# Altium PCB TEBF0808ASCII.PcbDoc (part 1 of 10) (continued)
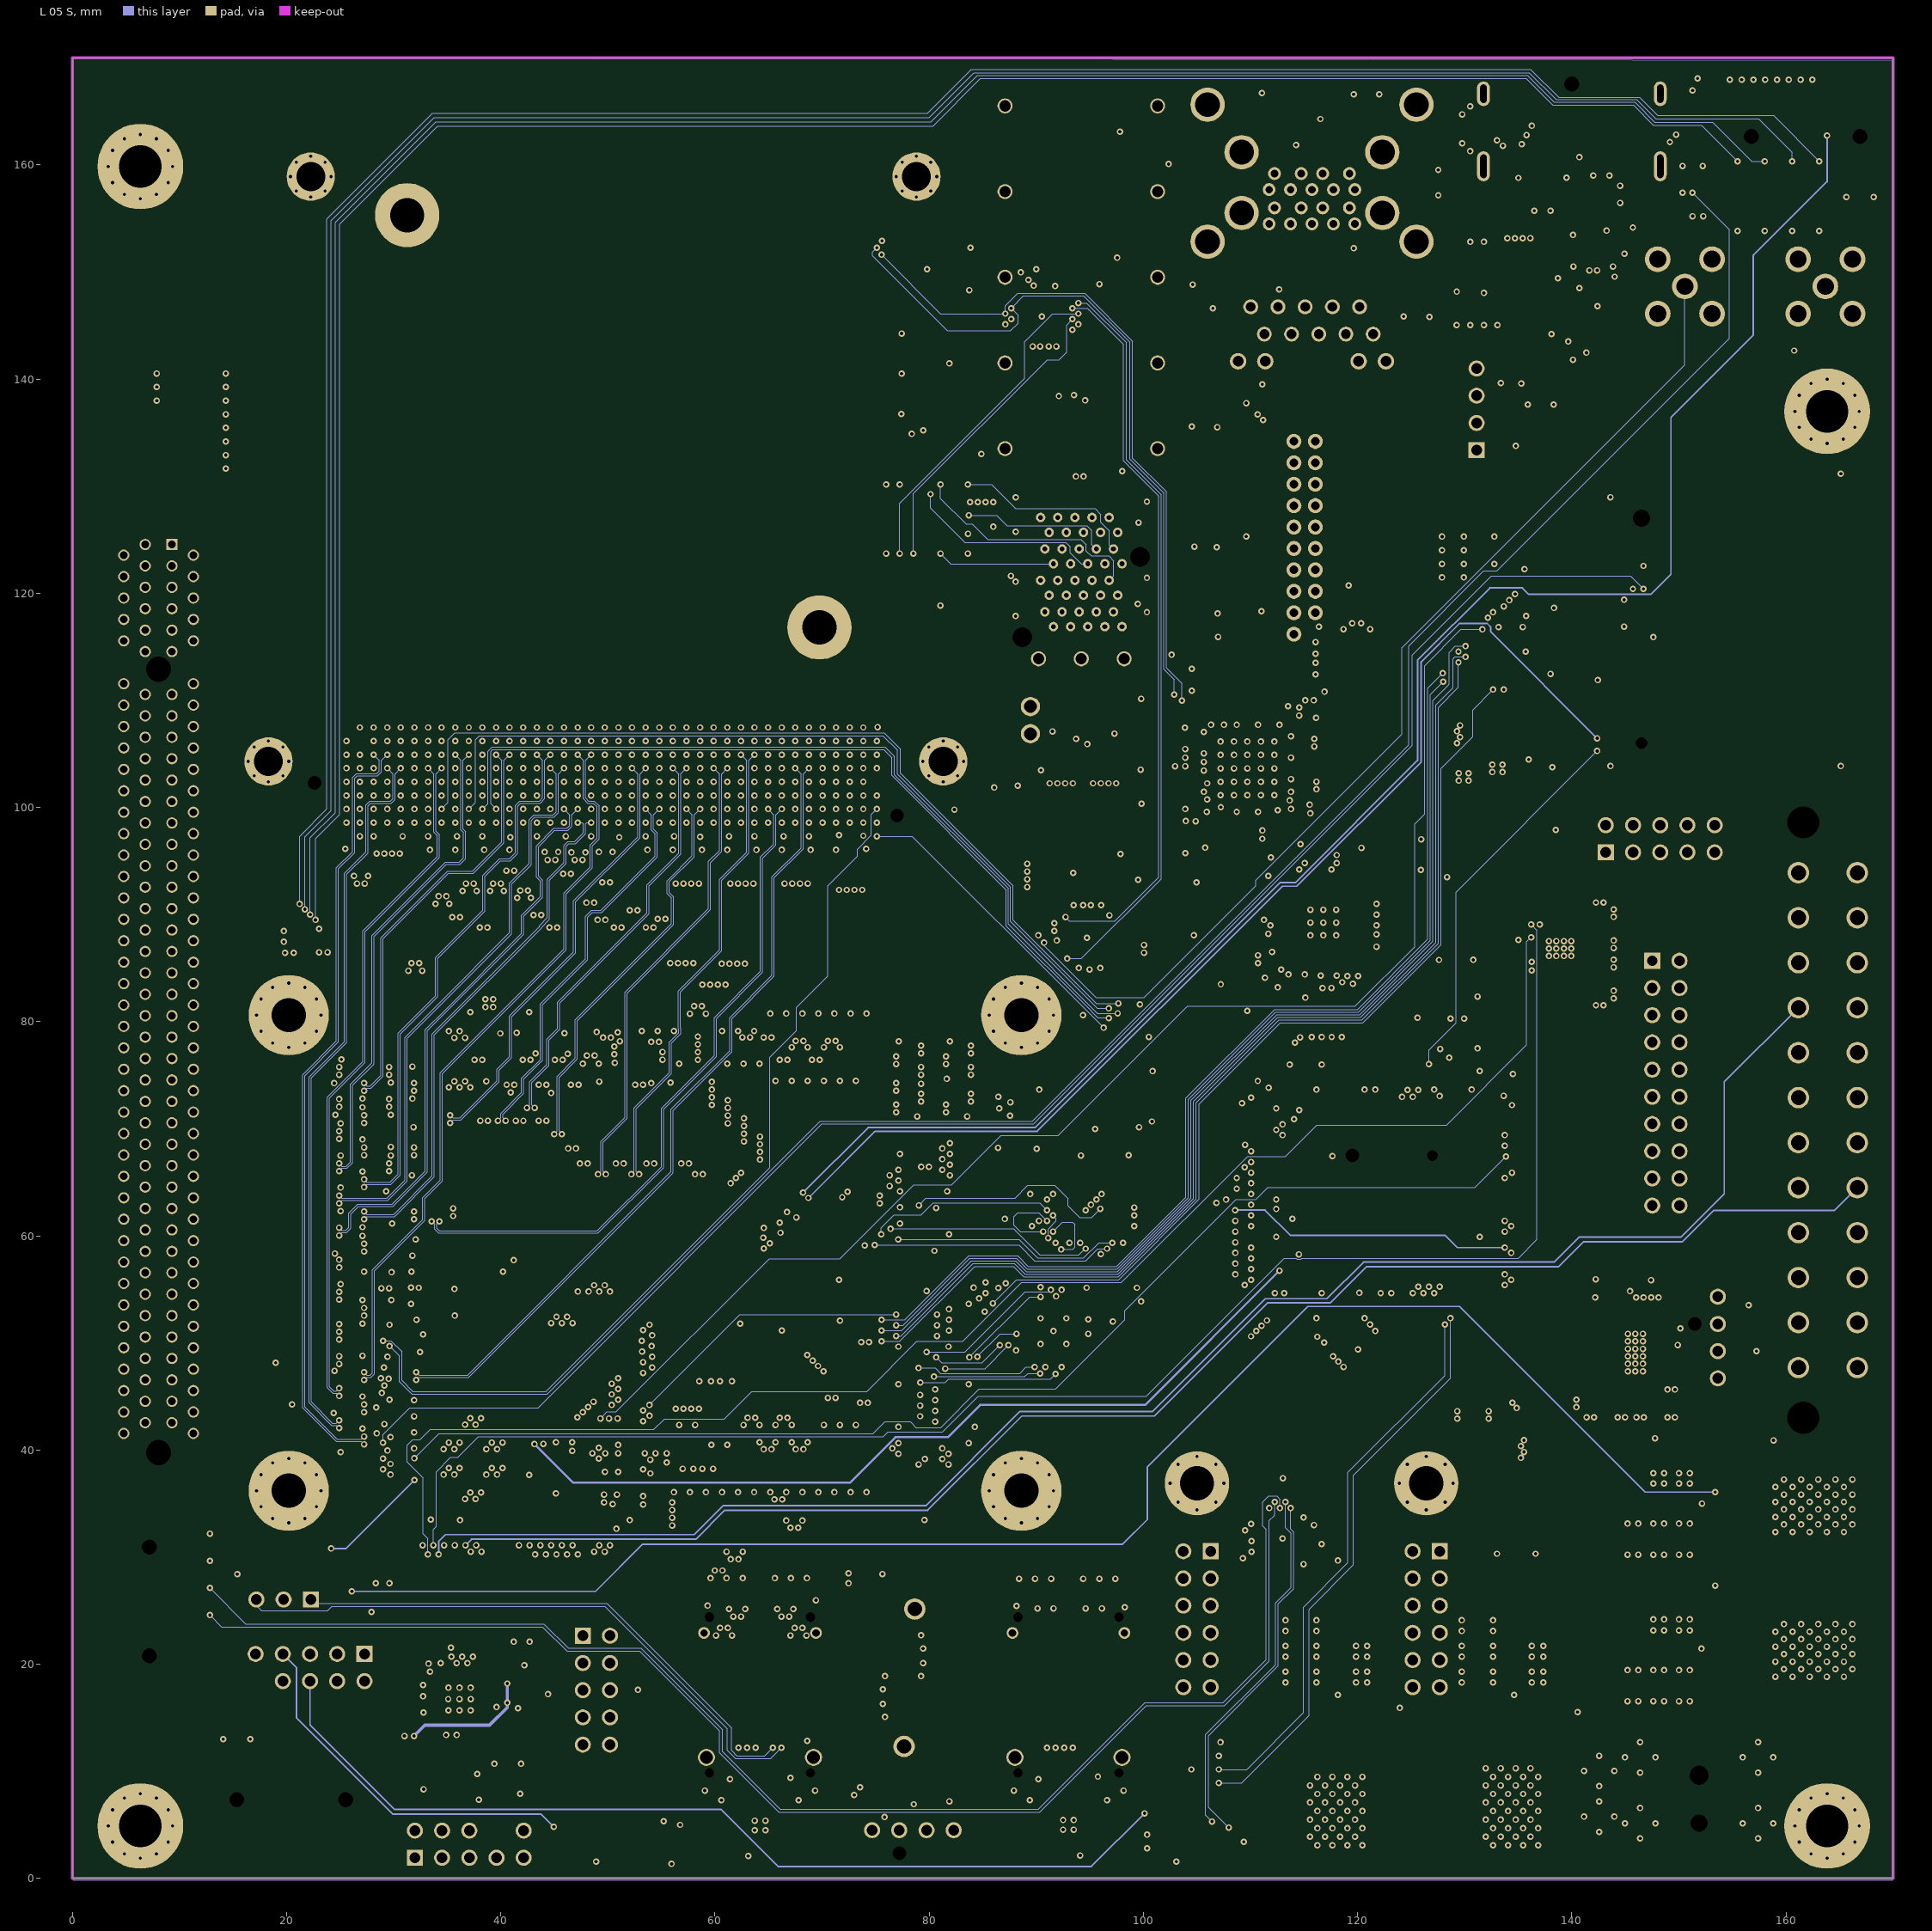
[diagram p4: L 05 S]
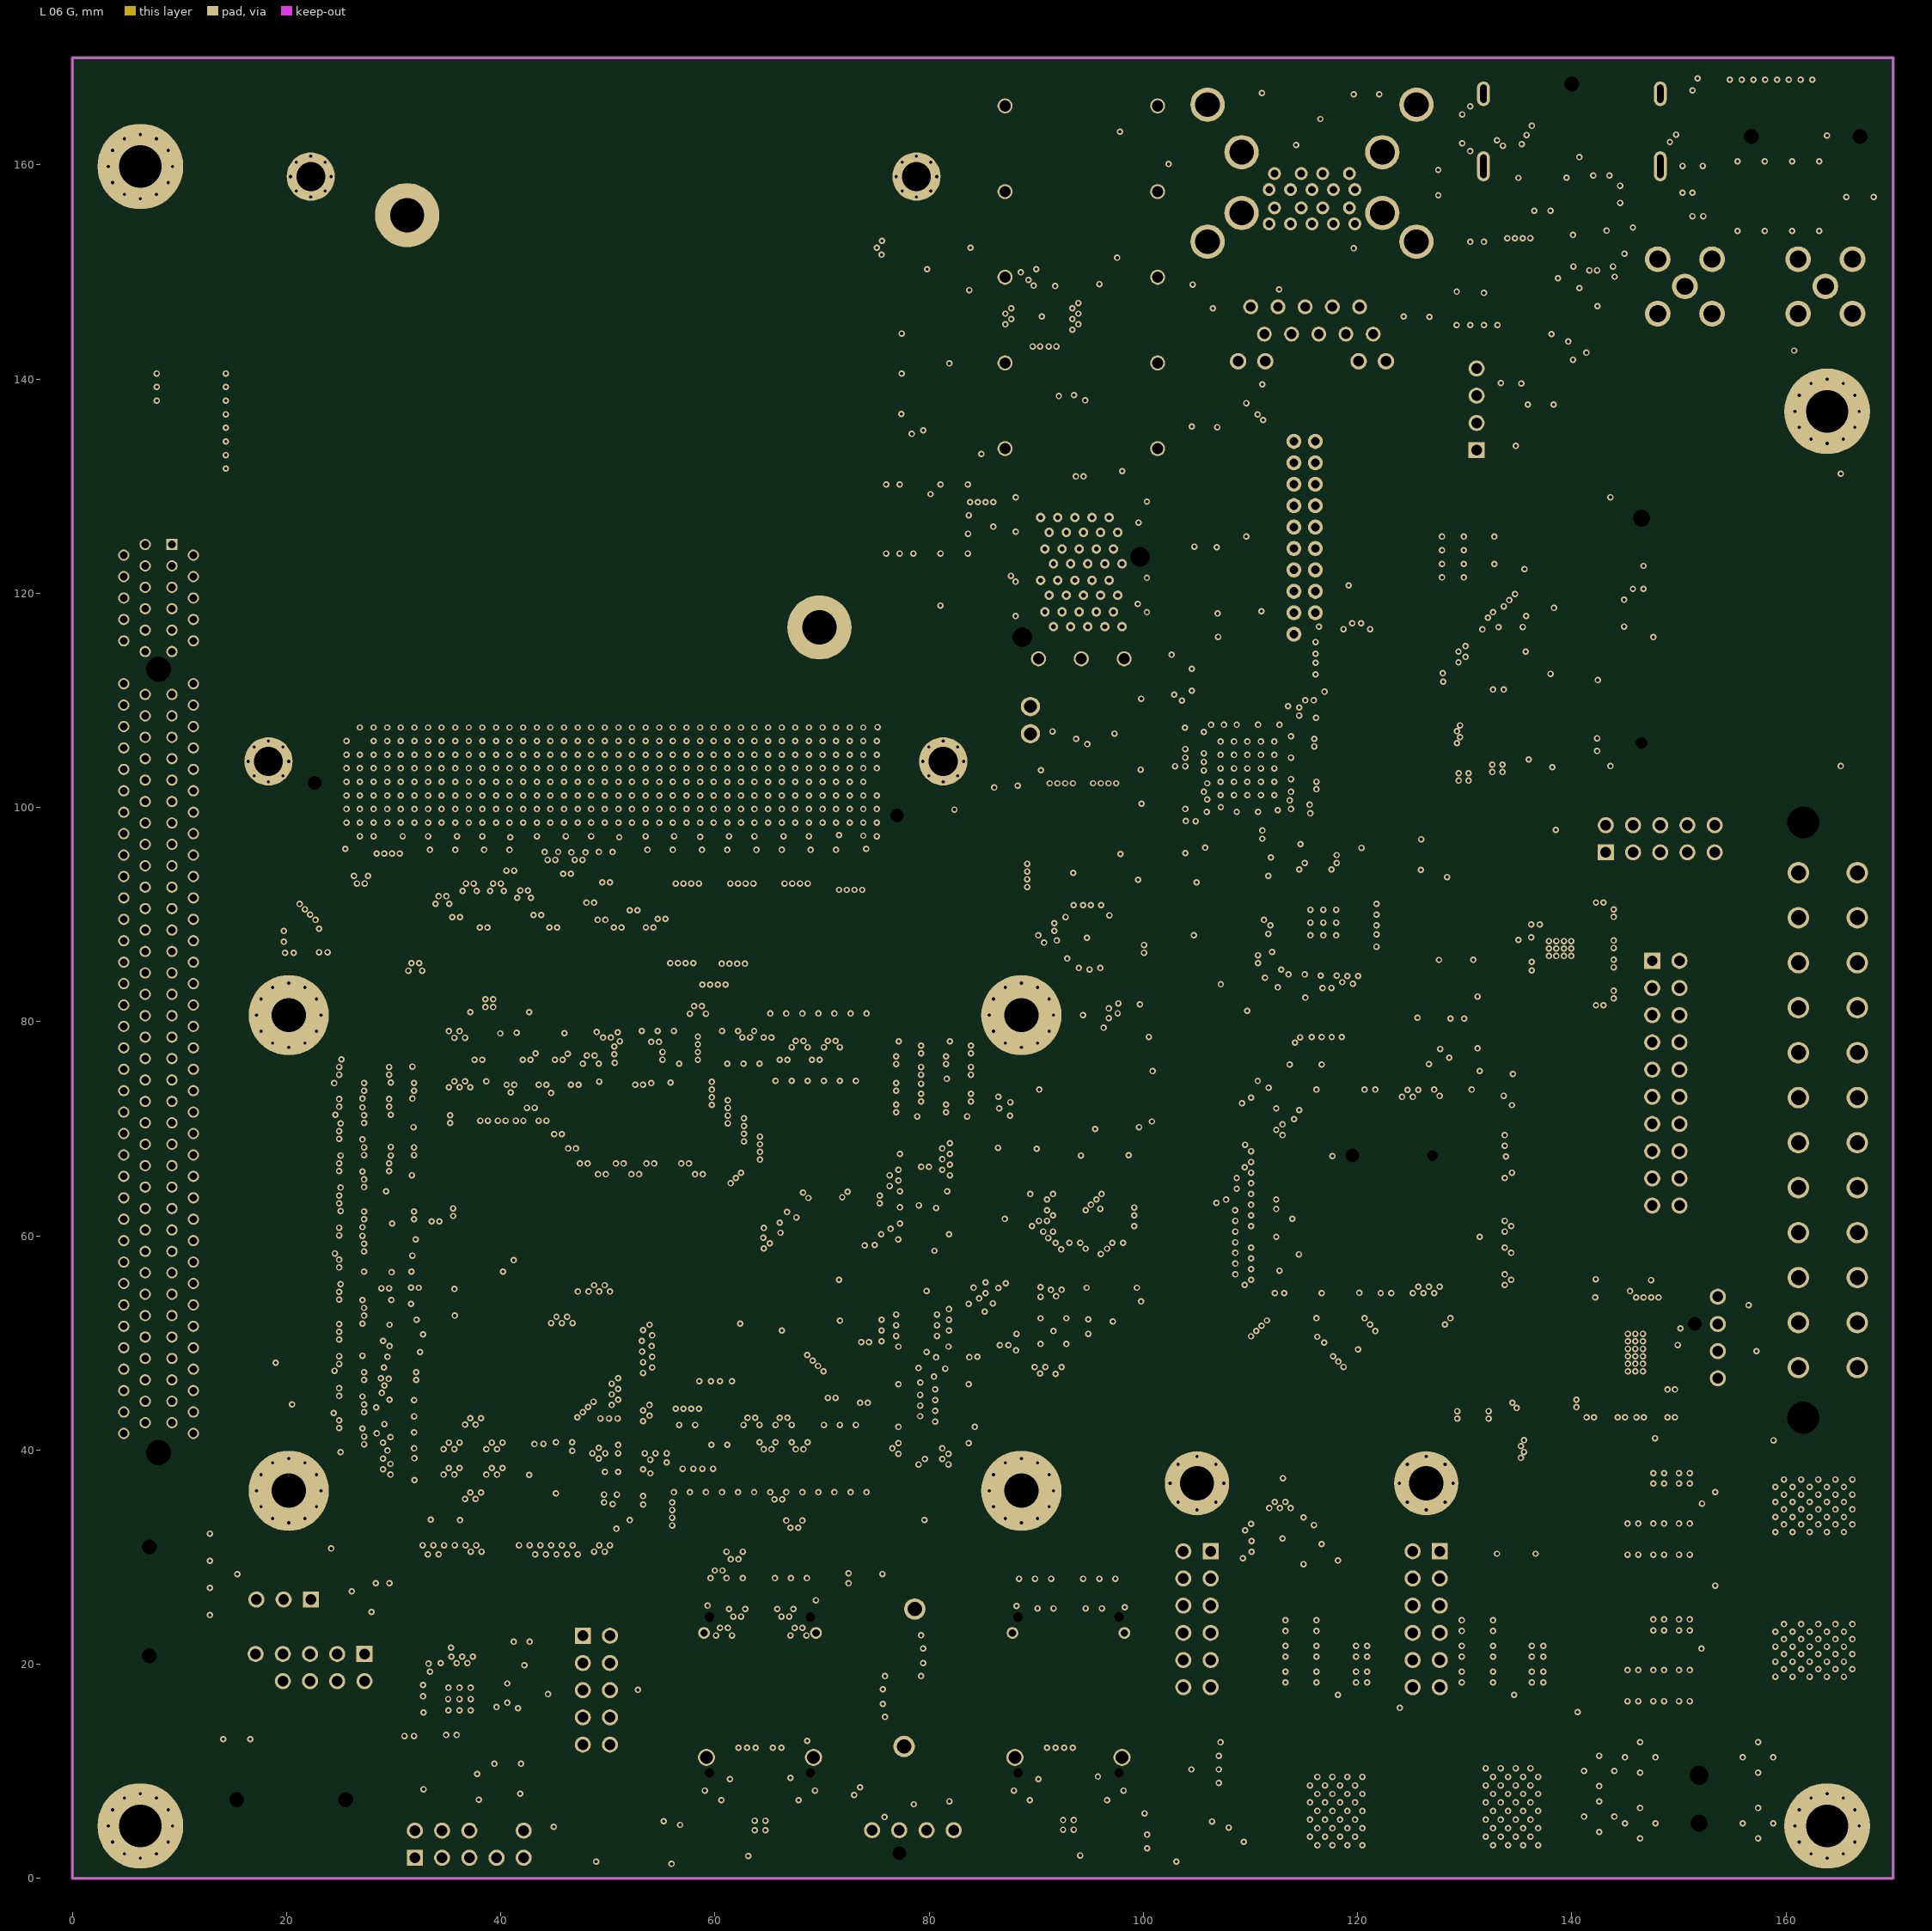
[diagram p5: L 06 G]
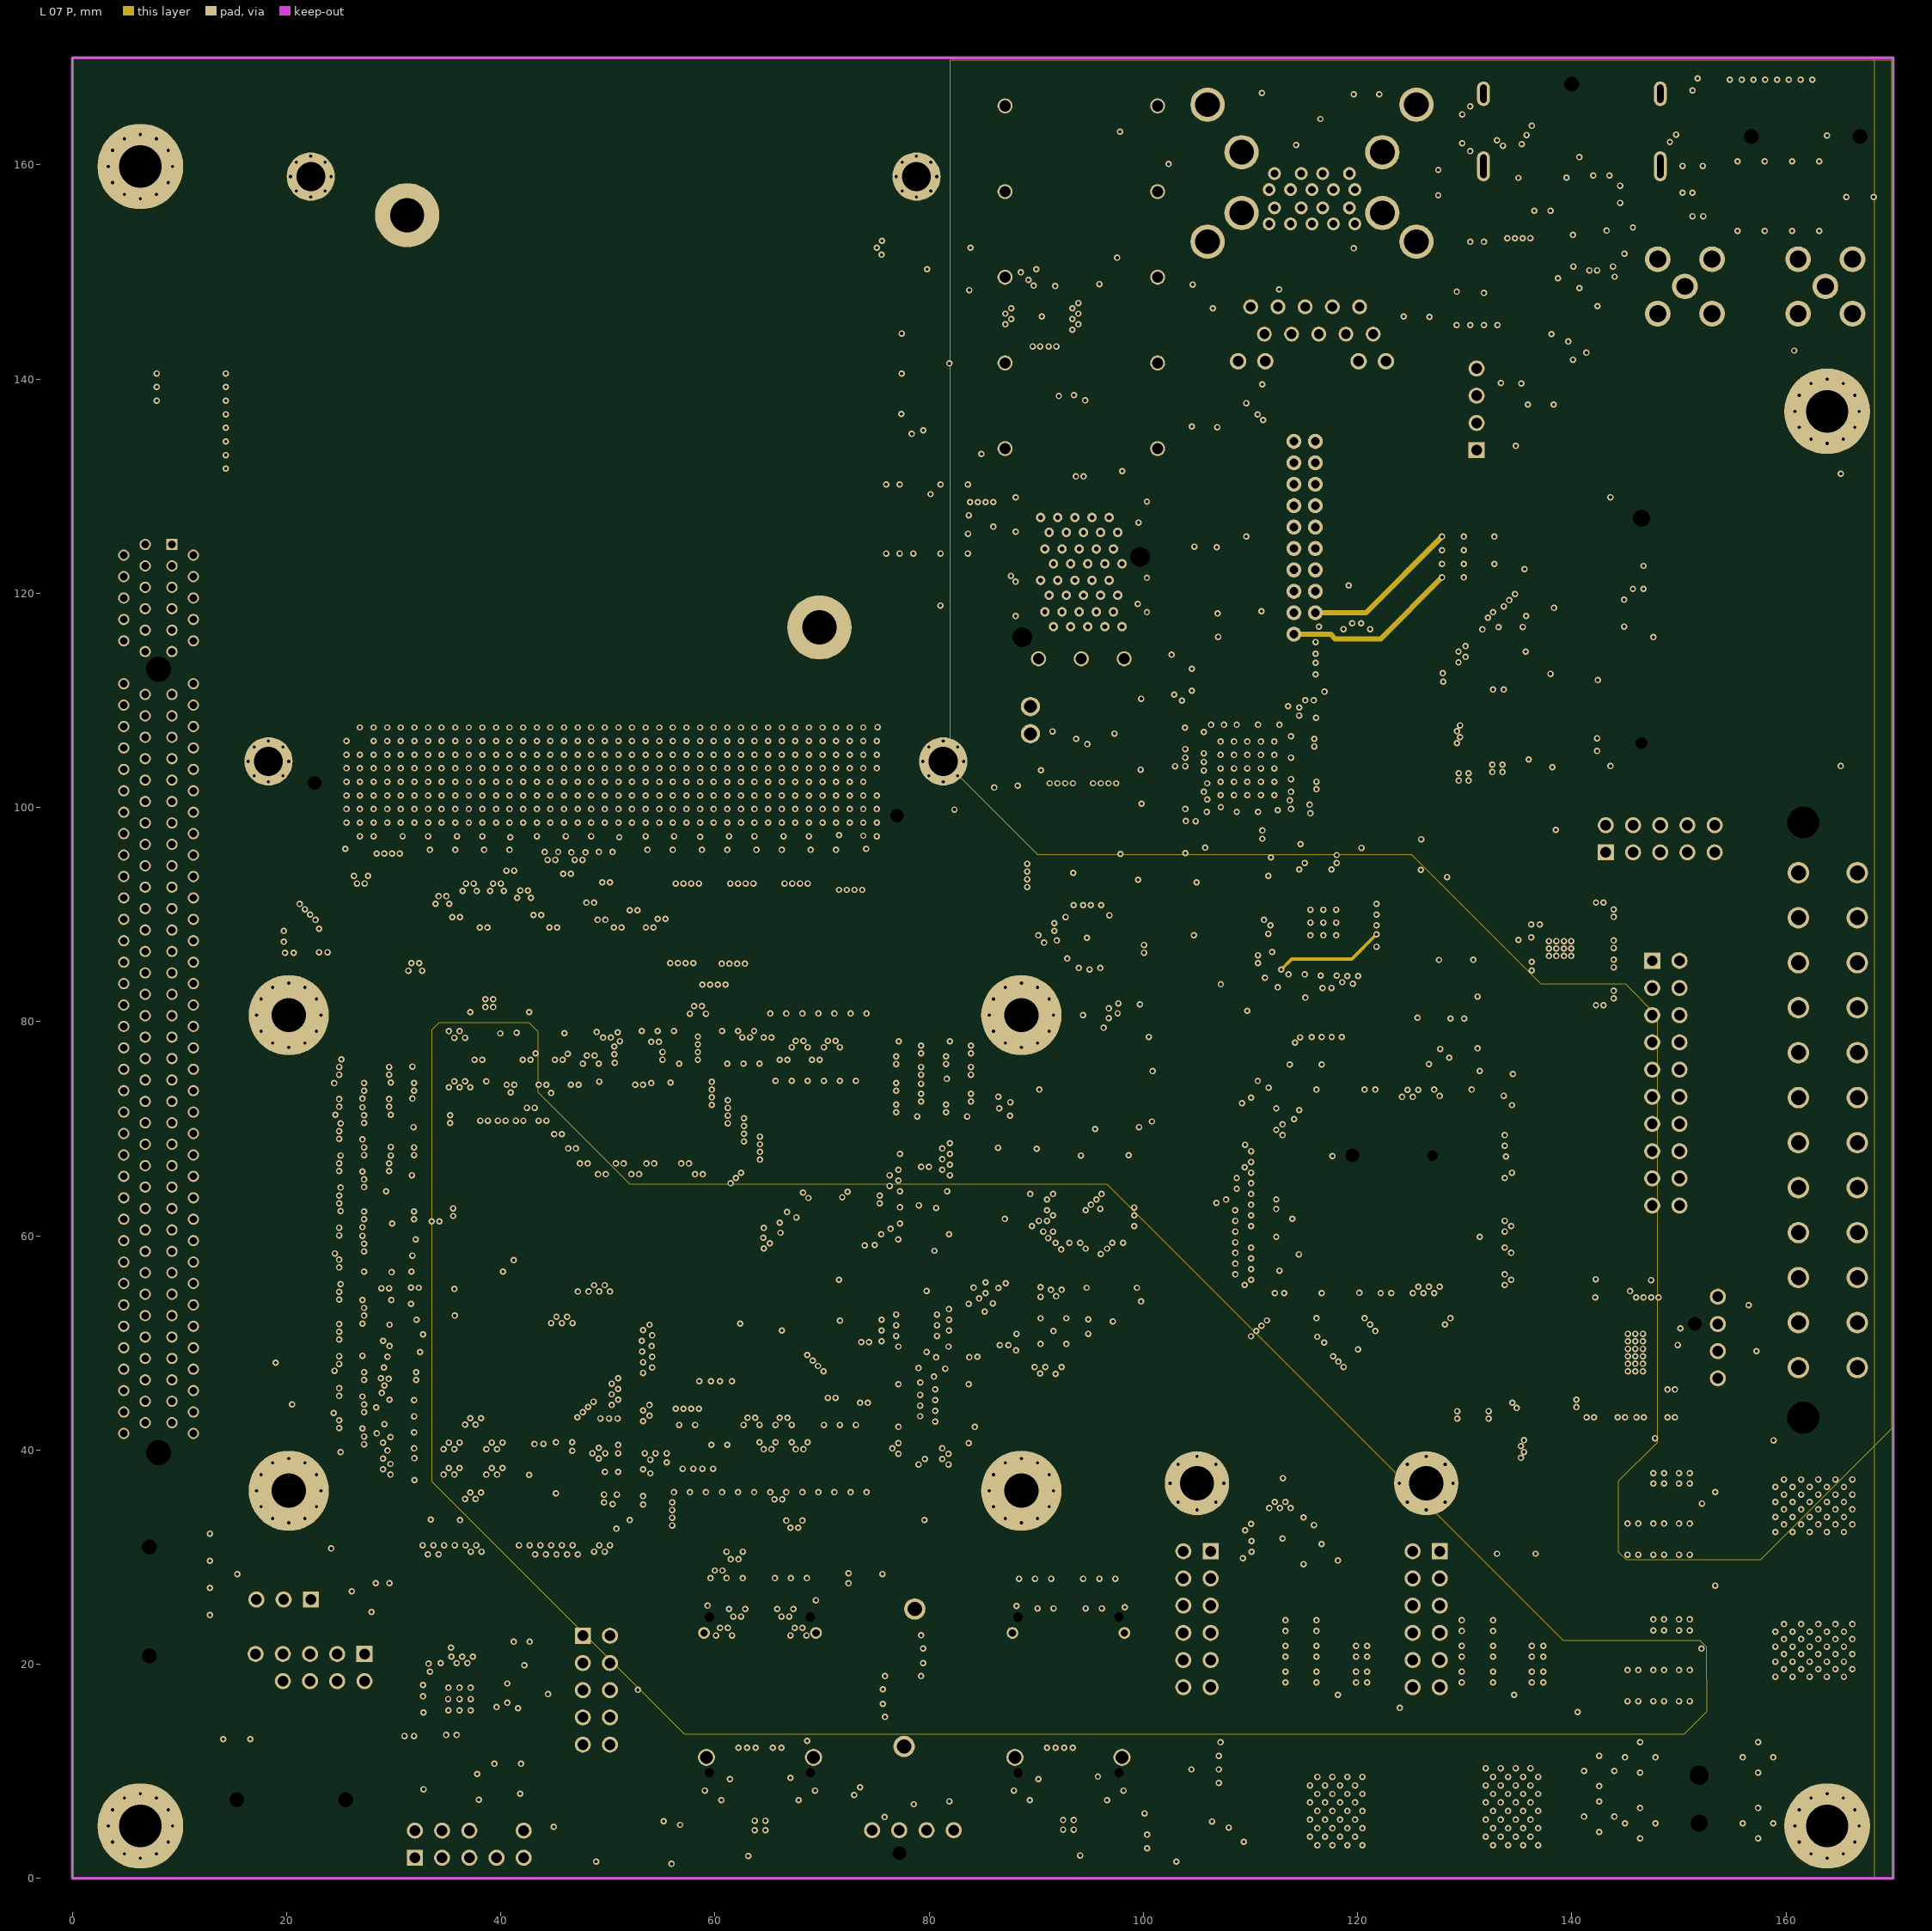
[diagram p6: L 07 P]
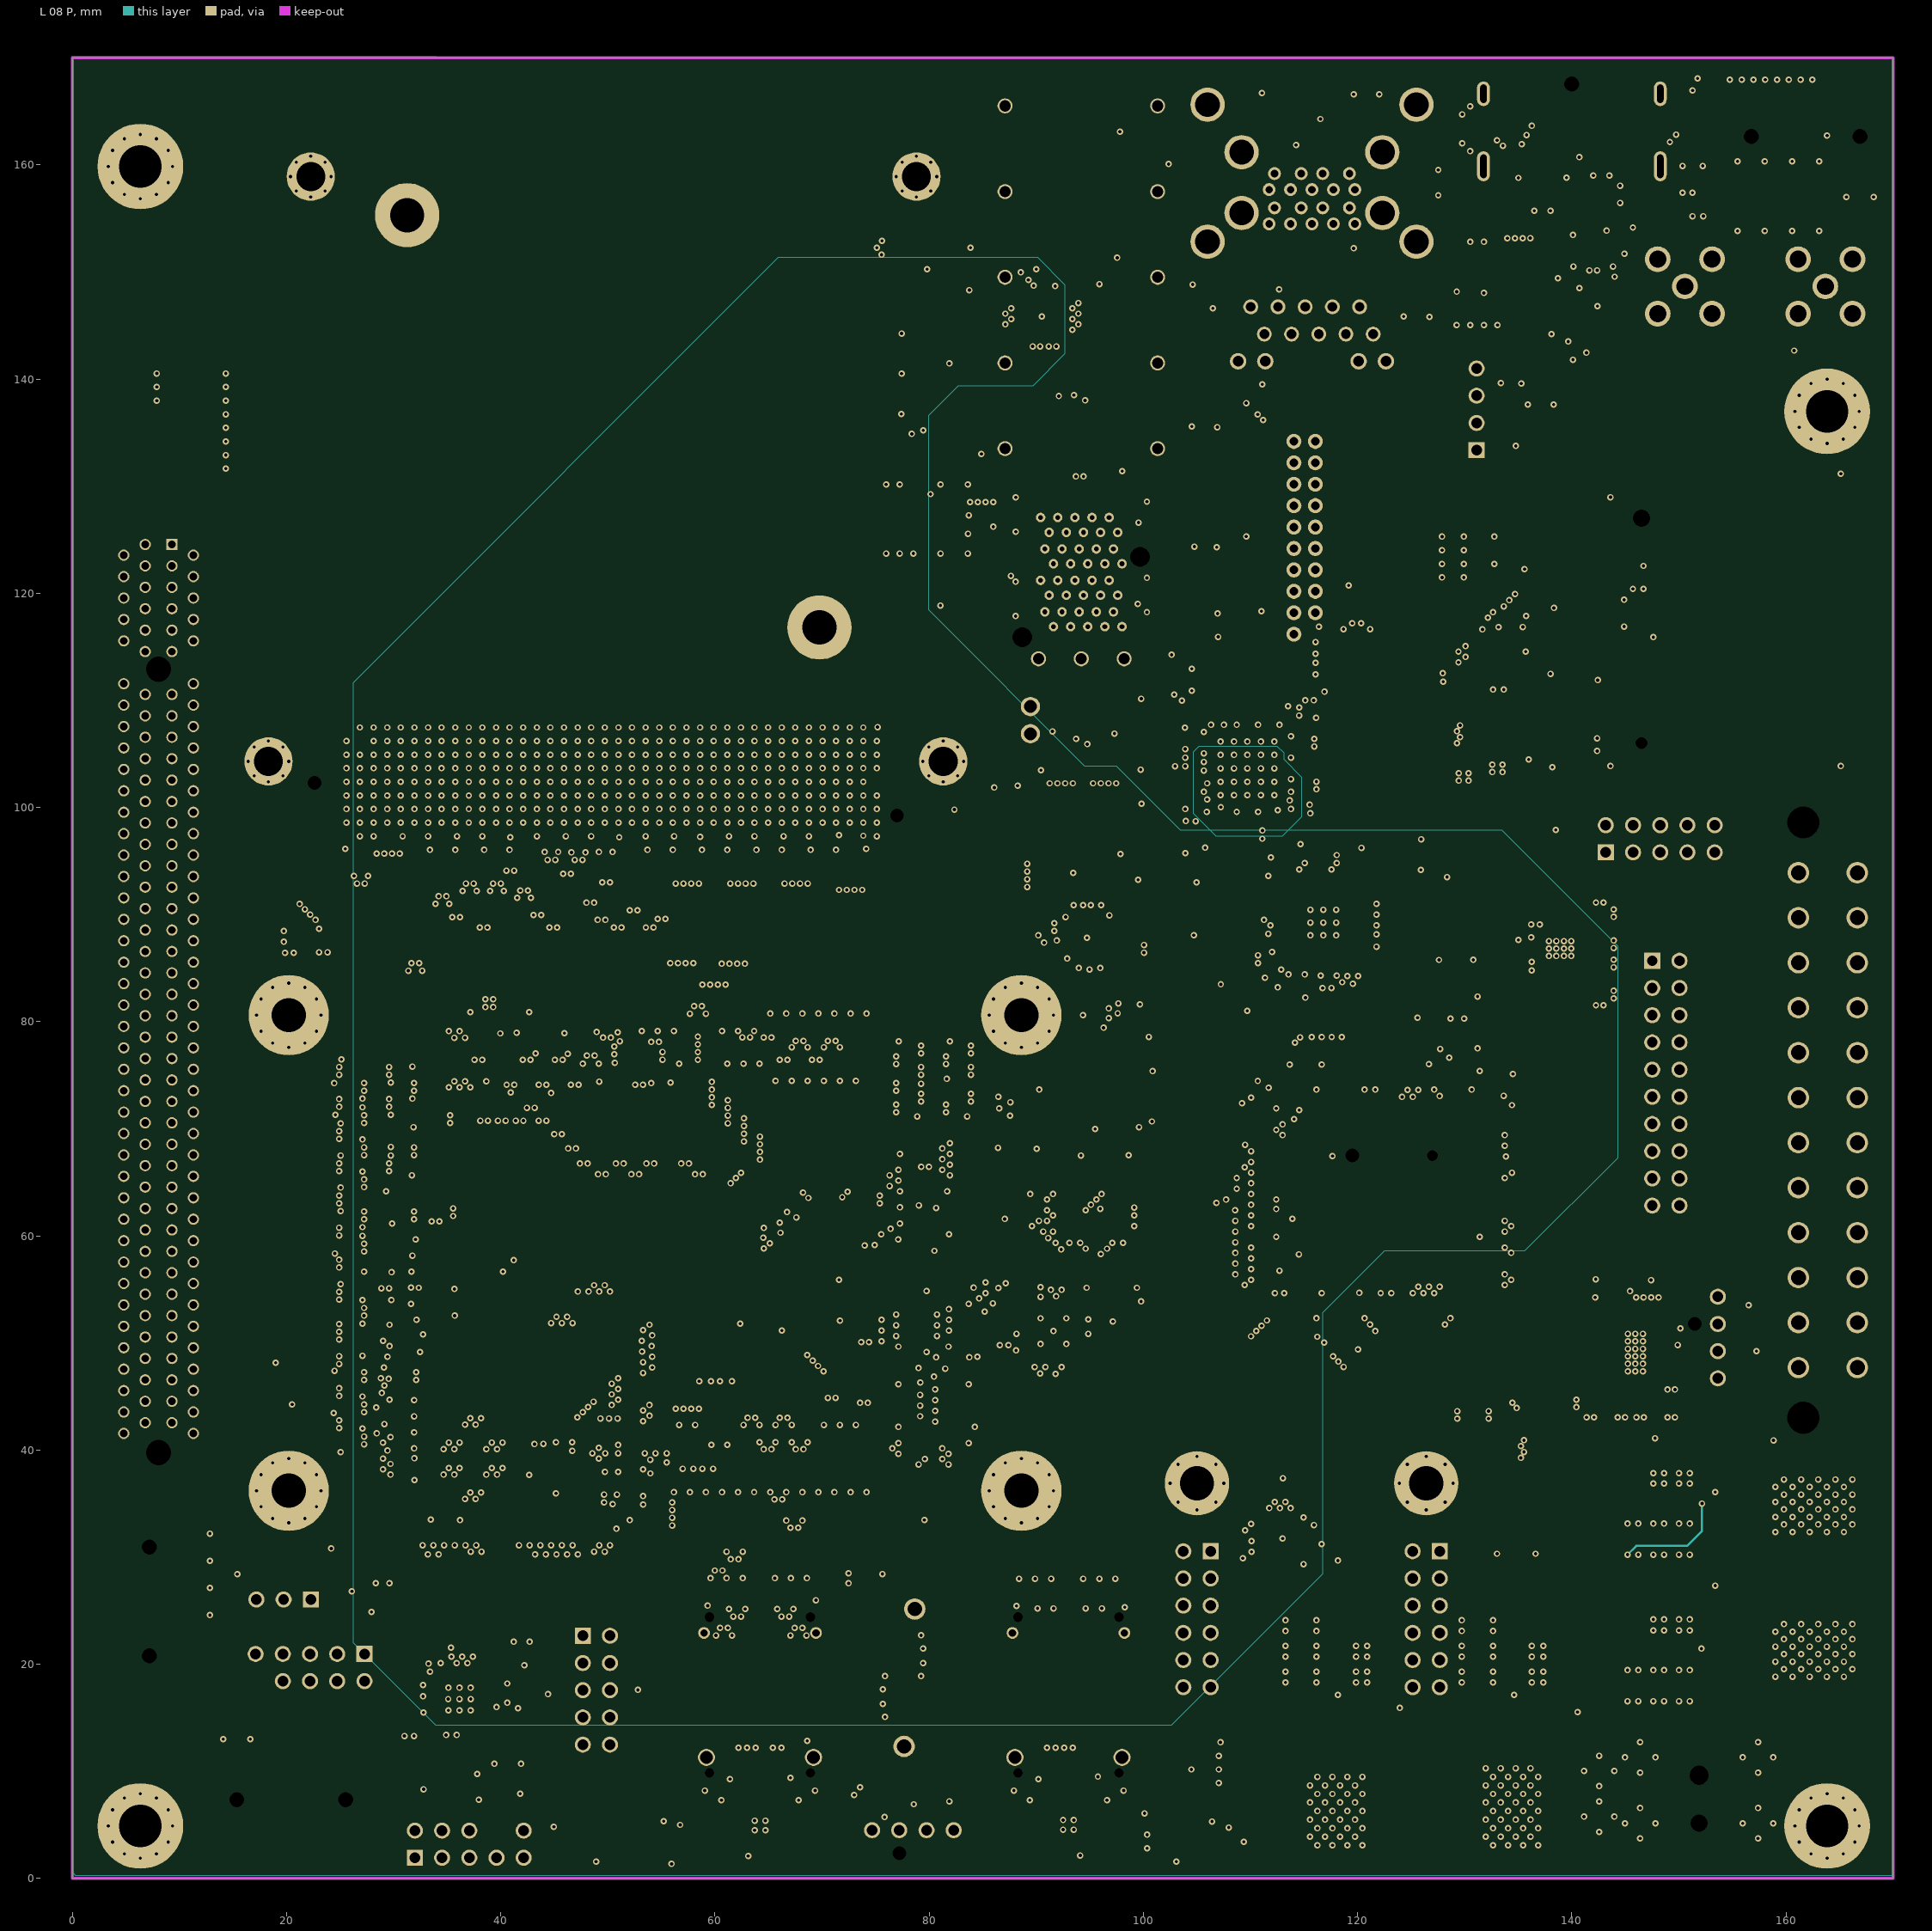
[diagram p7: L 08 P]